# Altium PCB ALCT_MEZ_LX100.PcbDoc (part 7 of 10)
Units mil, origin at the board's own origin, x right, y up, seen from the top; angles counter-clockwise.
Board outline 4100 x 5874.84 mil, 12 copper layers (Top Layer, GND, Mid-Layer 2, +3V3, Mid-Layer 4, +1V2, Mid-Layer 6, +1V8, Mid-Layer 8, +2V5, Mid-Layer 10, Bottom Layer), stack 64.7 mil thick; 544 components, 646 nets, 3089 pads, 1750 vias.
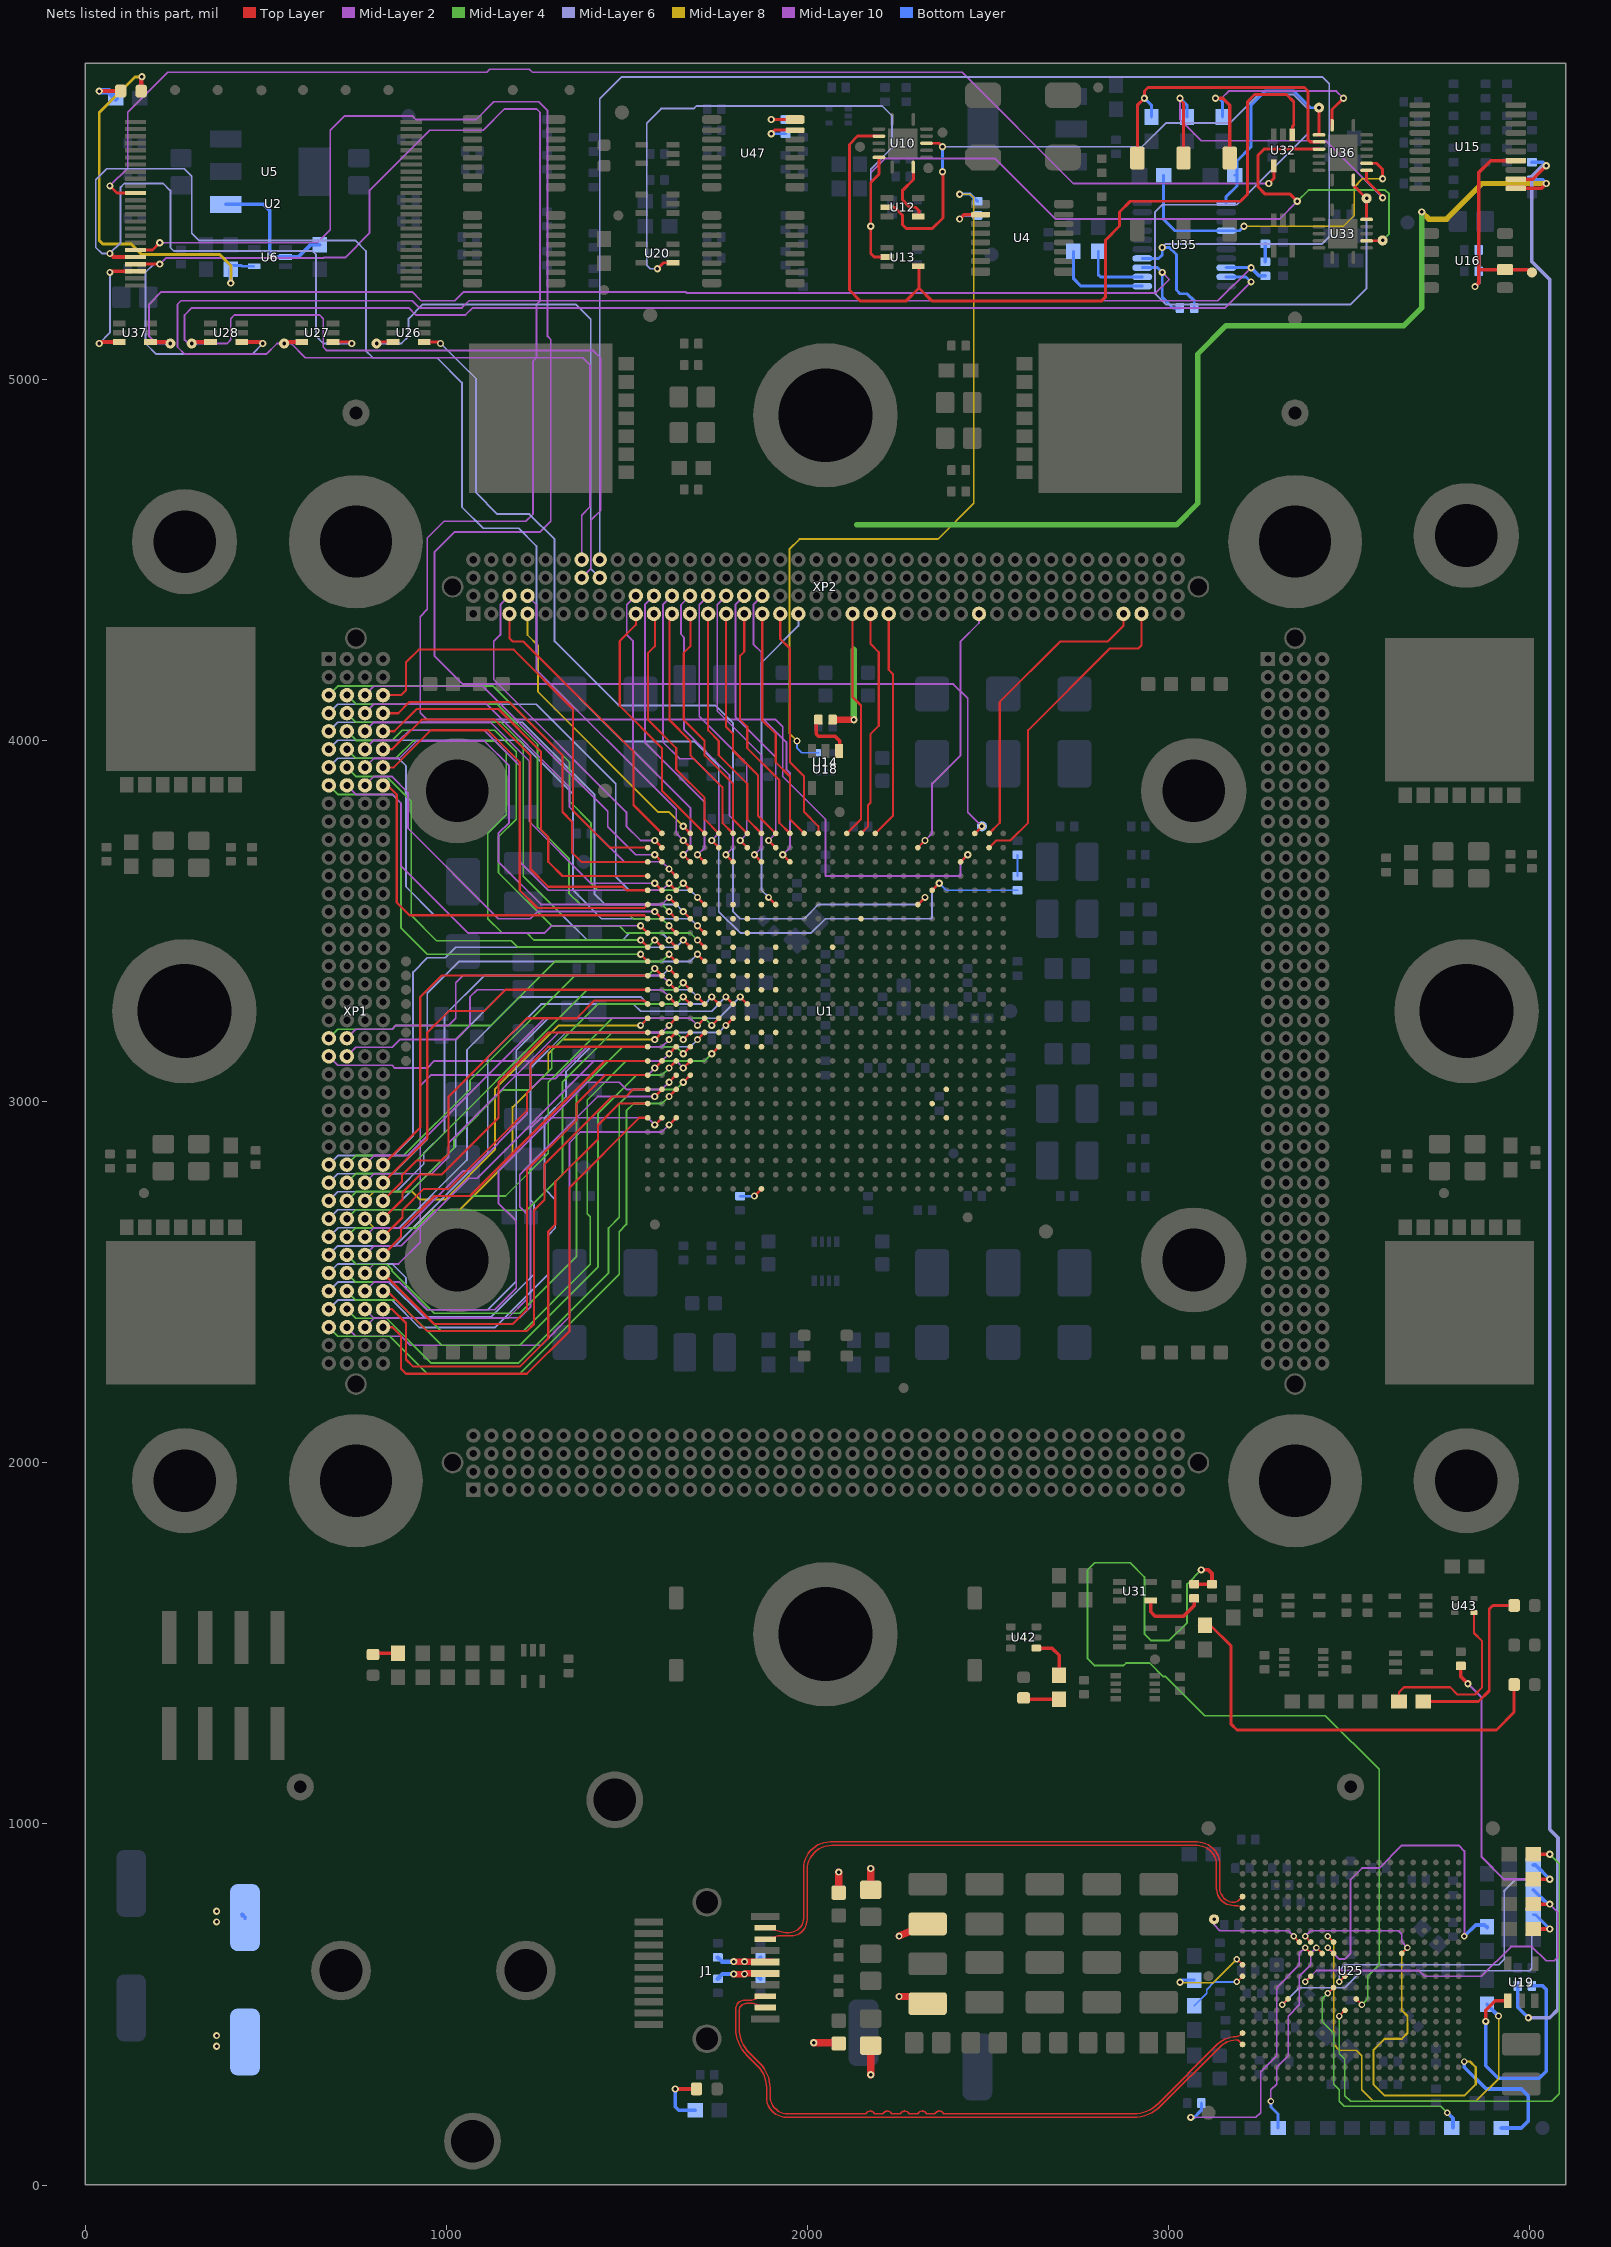
[diagram p17: the nets of this part, all layers, seen from the top]

## Via types
v1: diameter 20, hole 10, Top Layer to Bottom Layer, tented both sides, 1478 vias
v2: diameter 18, hole 10, Top Layer to Bottom Layer, tented both sides, 219 vias
v3: diameter 20, hole 10, Top Layer to Bottom Layer, 38 vias
v4: diameter 40, hole 20, Top Layer to Bottom Layer, 8 vias
v5: diameter 19, hole 10, Top Layer to Bottom Layer, tented both sides, 5 vias
v6: diameter 19, hole 10, Top Layer to Bottom Layer, 1 vias
v7: diameter 18, hole 10, Top Layer to Bottom Layer, 1 vias

## Nets (pads, with @x,y where several pads share a name; then routed paths per layer and width w, separated by ;. In a path a pad name is that pad's centre, name@x,y a point inside that pad or via, vN(x,y) a via of type N, cw(c..) or ccw(c..) an arc to the next point about the centre after c; other vN are vias at no path point) (continued)
mod_present: D10.A R24.1 | length 167.5
  Top Layer w10: v1(1633.86,265.94) D10.A@1692.91,265.94
  Bottom Layer w10: v1(1633.86,265.94) 1633.86,216.73 1643.7,206.89 R24.1@1688.98,206.89
mode0: R67.2 R76.1 U25.N5 | length 1007.9
  Top Layer w5: v2(3314.96,499.41) U25.N5@3330.71,515.16
  Top Layer w10: R76.1@4009.84,708.86 v1(4055.12,708.86)
  Mid-Layer 6 w4: v2(3314.96,499.41) 3362.2,546.65 3488.19,546.65 3535.43,593.9 3999.21,593.9 4005.91,600.59 4005.91,689.17 4025.59,708.86 v1(4055.12,708.86)
  Bottom Layer w8: R67.2@4009.84,748.23 4015.75,748.23 v1(4055.12,708.86)
mode1: R68.2 R77.2 U25.L7 | length 1058.5
  Top Layer w5: v2(3377.95,562.4) U25.L7@3393.7,578.15
  Top Layer w10: R77.2@4009.84,777.76 v1(4055.12,777.76)
  Mid-Layer 2 w5: v2(3377.95,562.4) 3409.45,593.9 3692.91,593.9 3708.66,578.15 3866.14,578.15 3948.23,660.24 4005.91,660.24 4045.28,620.87 4067.33,620.87 4077.17,630.71 4077.17,755.7 v1(4055.12,777.76)
  Bottom Layer w10: R68.2@4009.84,817.13 4049.21,777.76 v1(4055.12,777.76)
mode2: R69.2 R78.2 R99.2 U25.L10 | length 1730.8
  Top Layer w5: v2(3472.44,562.4) U25.L10@3488.19,578.15
  Top Layer w10: R99.2@3809,1437.01 3809,1407.74 v1(3828.74,1387.99) v1@3832.68,1391.93 ; R78.2@4009.84,846.65 v1(4055.12,846.65)
  Mid-Layer 2 w6: v1(3828.74,1387.99) 3866.14,1350.59 3866.14,908.86 3928.35,846.65 v1(4055.12,846.65)
  Mid-Layer 6 w4: v2(3472.44,562.4) 3472.44,593.9 3488.19,609.65 3913.39,609.65 3929.13,625.39 3929.13,814.37
  Mid-Layer 6 w6: 3929.13,814.37 3961.42,846.65 v1(4055.12,846.65)
  Bottom Layer w10: R69.2@4009.84,886.02 4015.75,886.02 v1(4055.12,846.65)
mode3: R79.1 U25.P10 | length 1576.3
  Top Layer w5: v2(3472.44,467.91) U25.P10@3488.19,483.66
  Top Layer w10: R79.1@4009.84,915.55 v1(4055.12,915.55)
  Mid-Layer 4 w4: v2(3472.44,467.91) 3472.44,363.85 3487.94,348.35 3487.94,294.93 3488.19,294.69 3488.19,247.44 3503.94,231.69 4060.24,231.69 4081,252.46 4081,889.67 v1(4055.12,915.55)
NetC47_2: C47.2 R42.1 | length 59.1
  Bottom Layer w5: C47.2@2581.5,3624.02 R42.1@2581.5,3683.07
NetC60_2: C60.2 R51.1 | length 49.2
  Bottom Layer w10: C60.2@3267.72,5325 R51.1@3267.72,5374.21
NetD1_A: D1.A R128.2 | length 100.1
  Top Layer w10: D1.A@2598.43,1348.62 2602.36,1344.69 R128.2@2696.85,1344.69
NetD4_A: D4.A R87.2 | length 70.5
  Top Layer w10: D4.A@797.25,1468.7 801.18,1472.64 R87.2@866.14,1472.64
NetD5_A: D5.A R96.1 | length 1215.5
  Top Layer w8: R96.1@3084.65,1549.41 R96.1@3100.39,1549.41 3116.14,1549.41 3173.23,1492.32 3173.23,1275.79 3188.98,1260.04 3907.62,1260.04 3956.69,1309.12 D5.A@3956.69,1385.55
NetD8_A: D8.A R110.2 | length 112.5
  Top Layer w12: v1(39.37,5797.44) D8.A@98.43,5797.44
  Bottom Layer w18: v1(39.37,5797.44) 64.96,5797.44 R110.2@84.65,5777.76
NetD8_K: D8.K R30.1 U6.4 | length 1098.1
  Top Layer w12: D8.K@155.51,5797.44 155.51,5834.84 v1(157.48,5836.81)
  Mid-Layer 8 w8: v1(157.48,5836.81) 137.93,5836.81 39.31,5738.19 39.31,5383.86 49.15,5374.02 127.89,5374.02 157.42,5344.49 373.96,5344.49 403.54,5314.9 v1(403.54,5265.75)
  Bottom Layer w8: R30.1@403.54,5314.37 433.07,5314.37 435.04,5312.4 U6.4@466.54,5312.4
  Bottom Layer w12: v1(403.54,5265.75) R30.1@403.54,5304.53
NetD9_A: D9.A R111.2 | length 500.7
  Top Layer w8: R111.2@3702.76,1328.94 3712.6,1338.78 3858.27,1338.78 3887.74,1368.25 3887.74,1594.62 3897.64,1604.53 D9.A@3956.69,1604.53
NetR93_1: R93.1 U25.J7 | length 786.5
  Top Layer w5: v2(3377.95,656.89) U25.J7@3393.7,641.14
  Mid-Layer 2 w4: v1(3061.02,187.2) 3241.73,187.2 3254.72,200.2 3254.72,313.19 3299.21,357.68 3299.21,546.65 3362.2,609.65 3362.2,641.14 v2(3377.95,656.89)
  Bottom Layer w8: v1(3061.02,187.2) 3070.87,187.2 3090.55,206.89 R93.1@3090.55,226.57
NetR111_1: R111.1 U43.4 | length 493.8
  Top Layer w6: R111.1@3637.8,1338.78 3637.8,1364.23 3651.51,1377.95 3779.47,1377.95 3799.15,1358.27 3848.37,1358.27 3868.05,1377.95 3868.05,1505.91 3845.41,1528.54 U43.4@3845.41,1584.65
NetR127_1: R127.1 U47.7 | length 109.4
  Top Layer w8: v1(1899.61,5679.33) 1909.45,5689.17 U47.7@1965.55,5689.17
  Bottom Layer w8: v1(1899.61,5679.33) R127.1@1938.98,5679.33
NetR127_2: R127.2 U47.8 | length 105.3
  Top Layer w8: v1(1899.61,5718.7) U47.8@1965.55,5718.7
  Bottom Layer w8: v1(1899.61,5718.7) R127.2@1938.98,5718.7
NetR128_1: R128.1 U42.4 | length 126.3
  Top Layer w10: U42.4@2633.86,1486.42 2677.17,1486.42 2696.85,1466.73 R128.1@2696.85,1411.61
nvio_sel_dskw_e\p\r\t\_clk: R45.2 U35.4 U36.11 | length 924.6
  Top Layer w8: U36.11@3548.23,5597.44 3575.98,5597.44 3592.52,5580.91 v1(3592.52,5554.53)
  Mid-Layer 8 w5: v1(3208.66,5423.43) 3484.25,5423.43 3513.78,5452.95 3513.78,5531.69 3536.61,5554.53 v1(3592.52,5554.53)
  Bottom Layer w8: R45.2@2986.22,5564.37 2986.22,5442.32 3017.72,5410.83 U35.4@3159.45,5410.83 3196.06,5410.83 v1(3208.66,5423.43)
nvio_sel_gbt_x\p\r\m\: NVIO_SEL_GBT.1 R44.2 U35.1 U36.2 | length 603.5
  Top Layer w8: U36.2@3416.34,5676.18 v1(3416.34,5751.38)
  Bottom Layer w8: U35.1@3159.45,5487.6 3159.45,5505.31 3188.98,5534.84 R44.2@3188.98,5564.37 ; R44.2@3183.07,5564.37 R44.2@3188.98,5564.37 ; v1(3416.34,5751.38) 3392.52,5751.38 3346.46,5797.44 3267.72,5797.44 3228.35,5758.07 3228.35,5643.11 3188.98,5603.74 R44.2@3188.98,5564.37
POR: R29.2 U5.2 U6.2 | length 403.2
  Bottom Layer w10: U5.2@389.76,5483.66 494.09,5483.66 511.81,5465.94 511.81,5347.83 521.65,5337.99 557.09,5337.99 590.55,5337.99 624.02,5371.46 R29.2@649.61,5371.46
PROM_OE: U2.11 U32.4 | length 3695.2
  Top Layer w8: v1(68.9,5534.84) 88.58,5515.16 U2.11@139.76,5515.16 ; v1(3277.56,5541.54) 3291.34,5555.31 U32.4@3291.34,5587.99
  Mid-Layer 10 w5: v1(68.9,5534.84) 118.11,5584.06 118.11,5738.39 229.22,5849.5 1112.2,5849.5 1120.7,5858 1230.32,5858 1238.82,5849.5 2428.26,5849.5 2736.22,5541.54 v1(3277.56,5541.54)
RDWR_B: R39.1 U1.AF9 | length 67.2
  Top Layer w7: v1(1853.15,2738.19) U1.AF9@1872.83,2757.87
  Bottom Layer w7: R39.1@1813.78,2738.19 v1(1853.15,2738.19)
refclk_pd: R85.1 U25.K1 | length 248.6
  Top Layer w5: v2(3188.98,625.39) U25.K1@3204.72,609.65
  Mid-Layer 8 w4: v1(3031.5,561.22) 3032.07,560.65 3124.23,560.65 v2(3188.98,625.39)
  Bottom Layer w8: v1(3031.5,561.22) 3037.4,567.13 R85.1@3070.87,567.13
refclk_pu: R83.1 U25.L1 | length 173.7
  Top Layer w5: v2(3188.98,562.4) U25.L1@3204.72,578.15
  Bottom Layer w5: R83.1@3070.87,496.26 3105.51,530.91 3105.51,541.04 3126.88,562.4 v2(3188.98,562.4)
refclk_sel: R86.1 U25.J9 | length 987.4
  Top Layer w5: v2(3440.95,656.89) U25.J9@3456.69,641.14
  Mid-Layer 2 w5: v2(3440.95,656.89) 3472.44,625.39 3488.19,625.39 3503.94,641.14 3503.94,845.87 3535.43,877.36 3582.68,877.36 3645.67,940.35 3803.15,940.35 3818.9,924.61 v2(3818.9,688.39)
  Bottom Layer w10: v2(3818.9,688.39) 3850.39,719.88 3874.69,719.88 3881.89,712.68 R86.1@3881.89,714.65
rxlockmode0: R20.2 U25.J8 | length 581.8
  Top Layer w5: v2(3409.45,656.89) U25.J8@3425.2,641.14
  Mid-Layer 2 w4: v2(3283.46,231.69) 3283.46,263.19 3299.21,278.94 3299.21,326.18 3330.71,357.68 3330.71,467.91 3362.2,499.41 3362.2,578.15 3393.7,609.65 3393.7,641.14 v2(3409.45,656.89)
  Bottom Layer w8: v2(3283.46,231.69) 3283.46,215.95 3303.15,196.26 R20.2@3303.15,157.68
rxlockmode1: R21.1 U25.M9 | length 707.9
  Top Layer w5: v2(3440.95,530.91) U25.M9@3456.69,546.65
  Mid-Layer 4 w4: v2(3440.95,530.91) 3425.2,515.16 3425.2,452.17 3456.69,420.67 3456.69,278.94 3472.44,263.19 3472.44,231.69 3486.44,217.7 3754.15,217.7 v5(3771.65,200.2)
  Bottom Layer w10: v5(3771.65,200.2) 3787.4,184.45 R21.1@3787.4,158.62
SCL_Sw: R47.2 U35.12 | length 189.5
  Bottom Layer w8: R47.2@2805.12,5353.74 2805.12,5288.78 2811.02,5282.87 U35.12@2927.17,5282.87
SDA_Sw: R46.2 U35.11 | length 274.7
  Bottom Layer w8: R46.2@2736.22,5353.74 2736.22,5278.94 2757.87,5257.28 U35.11@2927.17,5257.28
sel_d\s\k\w\_eprt_clk: U10.1 U12.4 | length 177
  Top Layer w8: U10.1@2293.31,5587.01 2293.31,5552.56 2263.78,5523.03 2263.78,5495.47 2283.46,5475.79 2299.21,5475.79 2309.06,5465.94 U12.4@2309.06,5450.2
sel_dskw_e\p\r\t\_clk: SEL_DSKW.1 U10.4 U12.2 U33.6 U36.9 | length 3340.7
  Top Layer w8: U12.2@2218.5,5475.79 U12.2@2220.47,5475.79 2240.95,5475.79 2263.78,5452.95 2263.78,5426.57 2273.62,5416.73 2345.8,5416.73 2375.33,5446.26 2375.33,5572.88 v1(2374.01,5574.2) ; U10.4@2329.72,5652.95 2364.17,5652.95 v1(2374.02,5643.11) ; U36.9@3511.81,5551.18 3511.81,5536.81 v1(3548.23,5500.39) U33.6@3548.23,5441.93
  Mid-Layer 6 w5: v1(2374.02,5643.11) 2926.38,5643.11 2992.13,5708.86 3169.29,5708.86 3248.03,5787.6 3346.46,5787.6 3385.83,5748.23 3385.83,5679.33 3188.98,5482.48 2982.28,5482.48 2962.6,5462.8 2962.6,5236.42 2992.13,5206.89 3503.94,5206.89 3548.23,5251.18 v1(3548.23,5500.39)
  Bottom Layer w8: v1(2374.01,5574.2) v1(2374.02,5643.11)
sel_g\b\t\_xprm: U10.10 U13.4 U32.1 | length 2429.6
  Top Layer w8: U10.10@2197.83,5672.64 2138.98,5672.64 2116.14,5649.8 2116.14,5246.26 2145.67,5216.73 2273.62,5216.73 2309.06,5252.17 ; U13.4@2309.06,5312.4 2309.06,5252.17 ; U32.1@3342.52,5676.57 3342.52,5699.02 3346.46,5702.95 3346.46,5767.91 3326.77,5787.6 3238.19,5787.6 3218.5,5767.91 3218.5,5512.01 3198.82,5492.32 2893.7,5492.32 2864.17,5462.8 2864.17,5423.43 2824.8,5384.06 2824.8,5226.57 2814.96,5216.73 2344.49,5216.73 2309.06,5252.17
sel_gbt_x\p\r\m\: SEL_GBT.1 U10.13 U13.2 U20.1 U33.3 U36.4 | length 4238.7
  Top Layer w8: v1(1584.65,5305.32) 1601.57,5322.24 U20.1@1627.95,5322.24 U20.1@1629.92,5322.24 ; v1(2175.2,5423.43) 2175.2,5544.69 ; U10.13@2197.83,5613.58 2197.83,5567.32 2175.2,5544.69 ; U13.2@2218.5,5337.99 2185.04,5337.99 2175.2,5347.83 2175.2,5544.69 ; v1(3356.3,5492.32) 3336.61,5512.01 3267.72,5512.01 3248.03,5531.69 3248.03,5620.28 3264.57,5636.81 3346.46,5636.81 U36.4@3416.34,5636.81 ; U33.3@3548.23,5382.87 3591.34,5382.87 v1(3592.52,5384.06)
  Mid-Layer 4 w5: v1(3356.3,5492.32) 3387.29,5523.31 3599.98,5523.31 3610.52,5512.77 3610.52,5402.06 v1(3592.52,5384.06)
  Mid-Layer 6 w5: v1(1584.65,5305.32) 1564.96,5305.32 1555.12,5315.16 1555.12,5708.86 1595.02,5748.76 1685.24,5748.76 1692.87,5756.39 2206.41,5756.39 2234.25,5728.54 2234.25,5639.96 2175.2,5580.91 v1(2175.2,5423.43)
  Mid-Layer 10 w5: v1(2175.2,5423.43) 2175.2,5571.06 2214.57,5610.43 2519.69,5610.43 2687.01,5443.11 3307.09,5443.11 v1(3356.3,5492.32)
sfp_rx_n: J1.13 U25.U1 | length 1812.2
  Top Layer w4: 1861.7,329.79 cw(c1800.6,268.72) 1886.98,268.72 1886.98,242.32 ccw(c1941.76,242.32) 1941.76,187.55 ; 1861.68,329.81 1833.25,358.23 cw(c1910.68,435.66) 1801.18,435.66 1801.18,486.45 cw(c1826.77,486.45) 1826.77,512.04 1846.09,512.04 J1.13@1883.46,523.03 ; 1935.04,187.55 1941.76,187.55 ; U25.U1@3204.72,390.11 U25.U1@3204.72,389.17 3194.73,399.17 ccw(c3188.98,393.41) 3188.98,401.55 ccw(c3188.98,333.65) 3140.99,381.69 2978.92,219.62 cw(c2901.49,297.05) 2901.49,187.55 1941.76,187.55
sfp_rx_p: J1.12 U25.T1 | length 1809.3
  Top Layer w4: J1.12@1883.46,491.54 1850.02,502.54 1830.71,502.54 ccw(c1830.71,482.86) 1811.02,482.86 1811.02,435.32 ccw(c1911.02,435.32) 1840.31,364.61 1868.4,336.52 cw(c1800.6,268.72) 1896.48,268.72 1896.48,246.26 ccw(c1945.69,246.26) 1945.69,197.05 ; 1938.98,197.05 2116.14,197.05 2137.57,197.05 2161.57,197.05 cw(c2173.57,192.05) 2185.57,197.05 2209.57,197.05 cw(c2221.57,192.05) 2233.57,197.05 2257.57,197.05 cw(c2269.57,192.05) 2281.57,197.05 2305.57,197.05 cw(c2317.57,192.05) 2329.57,197.05 2353.57,197.05 cw(c2365.57,192.05) 2377.57,197.05 2401.57,197.05 2431.1,197.05 2901.49,197.05 ccw(c2901.49,297.05) 2972.2,226.34 3135.04,389.17 cw(c3187.86,336.36) 3187.86,411.05 ccw(c3187.86,428.55) 3200.22,416.17 U25.T1@3204.72,420.67
SFP_TX_N: J1.19 U25.D1 | length 1653.7
  Top Layer w4: J1.19@1883.46,712.01 1938.98,699.02 1950.18,699.02 ccw(c1950.18,738.39) 1989.55,738.39 1989.55,875.98 cw(c2063.42,875.98) 2063.42,949.85 3078.74,949.85 cw(c3078.74,886.86) 3141.73,886.86 3141.73,822.24 ccw(c3181.1,822.24) 3181.1,782.87 ccw(c3181.1,801.88) 3194.54,788.44 U25.D1@3204.72,798.62
SFP_TX_P: J1.18 U25.E1 | length 1649.3
  Top Layer w4: J1.18@1883.46,680.51 1919.29,689.52 1954.11,689.52 ccw(c1954.11,734.45) 1982.73,699.81 ccw(c1954.11,734.45) 1988.75,705.83 ccw(c1954.11,734.45) 1999.05,734.45 1999.05,872.05 cw(c2067.35,872.05) 2067.35,940.35 3078.74,940.35 cw(c3078.74,886.86) 3132.23,886.86 3132.23,822.24 ccw(c3181.1,822.24) 3181.1,773.37 3189.64,773.37 cw(c3189.64,752.04) U25.E1@3204.72,767.13
sfp_vccr: C38.1 C39.1 C40.1 C41.1 C42.1 J1.15 L2.1 | length 412
  Top Layer w18: v1(1796.26,584.06) v1(1825.79,584.06) 1827.76,586.02 J1.15@1883.46,586.02
  Top Layer w20: C40.1@2086.61,813.19 v1(2086.61,866.34) ; C39.1@2175.2,801.38 v1(2175.2,876.18) ; v1(2253.94,689.17) C38.1@2332.68,722.64
  Bottom Layer w12: L2.1@435.04,748.23 L2.1@442.91,740.35 ; C41.1@1751.97,571.06 1764.96,584.06 v1(1796.26,584.06) ; v1(1825.79,584.06) 1857.09,584.06 C42.1@1870.08,571.06
  other v1: 364.17,728.54 364.17,758.07
sfp_vcct: C31.1 C32.1 C33.1 C34.1 C35.1 J1.16 L1.1 | length 509.9
  Top Layer w12: v1(1825.79,618.5) 1826.77,617.52 J1.16@1883.46,617.52
  Top Layer w18: v1(1796.26,618.5) v1(1825.79,618.5) J1.16@1899.61,618.5
  Top Layer w20: v1(2017.72,393.9) 2070.87,393.9 2080.71,384.05 C33.1@2090.55,393.9 ; v1(2175.2,305.32) C32.1@2175.2,386.02 C32.1@2175.2,399.8 ; v1(2253.94,521.85) C31.1@2328.74,521.85
  Bottom Layer w12: C35.1@1751.97,630.12 1763.58,618.5 v1(1796.26,618.5) ; v1(1825.79,618.5) 1858.46,618.5 C34.1@1870.08,630.12
  other v1: 364.17,384.06 364.17,413.58
state_override: R74.1 U25.H9 | length 1150.4
  Top Layer w5: v2(3440.95,688.39) U25.H9@3456.69,672.64
  Mid-Layer 8 w4: v2(3440.95,688.39) 3456.69,672.64 3456.69,389.17 3472.44,373.43 3519.69,373.43 3535.43,357.68 3535.43,263.19 3566.93,231.69 3850.39,231.69 3913.39,294.69 v1(3913.39,467.91)
  Bottom Layer w10: R74.1@3881.89,500.71 3881.89,499.41 v1(3913.39,467.91)
sw_sel_dskw_e\p\r\t\_clk: J4.1 R49.2 U36.10 | length 1032.7
  Top Layer w8: v1@3029.92,5776.18 3041.34,5764.76 J4.1@3041.34,5612.01 ; U36.10@3548.23,5577.76 3548.23,5549.61 3592.52,5505.31 v1(3592.52,5502.17)
  Mid-Layer 10 w5: v1(3031.5,5777.76) 3031.5,5718.7 3051.18,5699.02 3090.55,5659.65 3435.04,5659.65 v1(3592.52,5502.17)
  Bottom Layer w8: v1(3031.5,5777.76) 3051.18,5758.07 R49.2@3051.18,5725.79
sw_sel_gbt_x\p\r\m\: J3.1 R48.2 U36.3 | length 882.4
  Top Layer w8: J3.1@2913.39,5612.01 2913.39,5758.07 v1(2933.07,5777.76) 2933.07,5797.44 2942.91,5807.28 3375.98,5807.28 3385.83,5797.44 3385.83,5662.8 3392.13,5656.5 U36.3@3416.34,5656.5
  Bottom Layer w8: v1(2933.07,5777.76) 2952.76,5758.07 R48.2@2952.76,5725.79
sw_sel_sw_n\v\i\o\: J5.1 R50.2 U36.1 | length 708.3
  Top Layer w8: U36.1@3452.76,5702.76 3452.76,5746.26 v1(3484.25,5777.76)
  Top Layer w10: v1(3129.92,5777.76) 3149.61,5777.76 3169.29,5758.07 J5.1@3169.29,5612.01
  Mid-Layer 10 w5: v1(3129.92,5777.76) 3146.46,5777.76 3166.14,5797.44 3464.57,5797.44 v1(3484.25,5777.76)
  Bottom Layer w8: v1@3139.76,5777.76 3149.61,5767.91 R50.2@3149.61,5725.79
TCK_2V5: C47.1 U1.E21 U2.20 U27.4 | length 6058.3
  Top Layer w7: U1.E21@2345.28,3584.65 v1(2364.96,3604.33)
  Top Layer w8: U27.4@686.35,5102.56 734.25,5102.56 v1(738.19,5098.62)
  Top Layer w12: v1(68.9,5347.83) 78.74,5337.99 U2.20@139.76,5337.99
  Mid-Layer 6 w5: v1(738.19,5098.62) 659.45,5098.62 639.76,5118.31 639.76,5344.69 629.92,5354.53 246.06,5354.53 236.22,5364.37 236.22,5521.85 216.54,5541.54 108.27,5541.54 98.43,5531.69 98.43,5377.36 v1(68.9,5347.83) 46.06,5347.83 29.53,5364.37 29.53,5551.38 60.52,5582.37 274.13,5582.37 295.28,5561.22 295.28,5403.74 314.96,5384.06 748.03,5384.06 777.56,5354.53 777.56,5078.94 797.24,5059.25 974.41,5059.25 1043.31,4990.35 1043.31,4645.87 1102.36,4586.81 1200.79,4586.81 1250,4537.6 1250,4237.01 1490.66,3996.35 1687.51,3996.35 1754.72,3929.13 1754.72,3525.59 1813.78,3466.54 2010.63,3466.54 2050,3505.91 2345.28,3505.91 2345.28,3584.65 v1(2364.96,3604.33)
  Bottom Layer w5: v1(2364.96,3604.33) 2384.65,3584.65 C47.1@2581.5,3584.65
TCK_Pr: C60.1 TCK.1 U27.3 U35.8 XP2.D7 | length 5052.2
  Top Layer w10: v1(551.18,5098.62) 555.12,5102.56 U27.3@599.74,5102.56
  Mid-Layer 2 w5: XP2.D7@1375,4500 1375,4623.23 1397.64,4645.87 1397.64,5039.31 1377.7,5059.25 610.24,5059.25 570.87,5098.62 v1(551.18,5098.62) 531.5,5098.62 501.97,5069.09 275.59,5069.09 255.91,5088.78 255.91,5206.89 265.75,5216.73 905.51,5216.73 925.2,5197.05 1043.31,5197.05 1062.99,5216.73 3136.61,5216.73 v1(3228.35,5308.46)
  Bottom Layer w8: U35.8@3159.45,5308.46 v1(3228.35,5308.46)
  Bottom Layer w10: v1(3228.35,5308.46) 3251.18,5285.63 C60.1@3267.72,5285.63
TDI_2V5: U1.F20 U26.4 | length 2756.1
  Top Layer w7: U1.F20@2305.91,3545.28 v1(2325.59,3564.96)
  Top Layer w8: U26.4@938.98,5102.56 980.32,5102.56 v1(984.25,5098.62)
  Mid-Layer 6 w5: v1(984.25,5098.62) 1082.68,5000.2 1082.68,4685.24 1141.73,4626.18 1230.32,4626.18 1300,4556.5 1300,4273.62 1477.17,4096.46 1744.88,4096.46 1794.09,4047.24 1794.09,3525.59 1813.78,3505.91 1990.95,3505.91 2030.32,3545.28 2305.91,3545.28 v1(2325.59,3564.96)
TDI_PR: TDI.1 U26.3 XP2.C8 | length 1456.3
  Top Layer w8: v1(807.09,5098.62) 811.02,5102.56 U26.3@852.36,5102.56
  Mid-Layer 6 w5: v1(807.09,5098.62) 875.98,5098.62 895.67,5118.31 895.67,5167.52 935.04,5206.89 1358.27,5206.89 1400,5165.16 1400,4475 XP2.C8@1425,4450
TDO_FPGA: TDOF.1 U1.A24 U2.19 | length 5198.5
  Top Layer w7: U1.A24@2463.39,3742.13 v1(2483.07,3761.81)
  Top Layer w8: U2.19@139.76,5357.68 187.01,5357.68 v1(206.69,5377.36)
  Mid-Layer 10 w5: v1(206.69,5377.36) 642.91,5377.36 679.13,5413.58 679.13,5689.17 718.5,5728.54 905.51,5728.54 915.35,5718.7 1082.68,5718.7 1131.69,5767.72 1255.71,5767.72 1280.69,5742.75 1280.69,5118.31 1289.37,5109.62 1289.37,4606.3 1259.84,4576.77 1023.43,4576.77 967.32,4520.67 967.32,4234.25 1046.06,4155.51 2404.33,4155.51 2443.7,4116.14 2443.7,3801.18 v1(2483.07,3761.81)
TDO_PR: R97.1 U35.14 XP2.D8 | length 4533.8
  Mid-Layer 6 w5.12: XP2.D8@1425,4500 1425,5775.59 1486.22,5836.81 3425.2,5836.81 3444.88,5817.13 3444.88,5393.9 3425.2,5374.21 2992.13,5374.21 v1(2982.28,5364.37)
  Bottom Layer w8: U35.14@2927.17,5334.06 2972.44,5334.06 2982.28,5343.9 v1(2982.28,5364.37) 3001.97,5364.37 3021.65,5344.69 3021.65,5246.26 3031.5,5236.42 3051.18,5236.42 3070.87,5216.73 R97.1@3070.87,5197.05
TDO_PROM: R97.2 TDOP.1 U35.13 U37.4 | length 3307.5
  Top Layer w10: U37.4@181.1,5102.56 232.28,5102.56 v1(236.22,5098.62)
  Mid-Layer 2 w5: v1(236.22,5098.62) 196.85,5098.62 177.17,5118.31 177.17,5206.89 211.53,5241.25 905.51,5241.25 930.03,5216.73 1023.62,5216.73 1048.14,5241.25 1662.62,5241.25 1665.77,5238.1 2964.28,5238.1 2967.43,5241.25 3001.97,5275.79 v1(2982.28,5295.47)
  Bottom Layer w8: U35.13@2927.17,5308.46 2969.29,5308.46 v1(2982.28,5295.47) 2982.28,5226.57 3011.81,5197.05 R97.2@3031.5,5197.05
TDO_PROM_2V5: U2.22 U37.3 | length 338
  Top Layer w10: v1(39.37,5098.62) 43.31,5102.56 U37.3@94.49,5102.56 ; v1(68.9,5295.47) 72.05,5298.62 U2.22@139.76,5298.62
  Mid-Layer 6 w5: v1(39.37,5098.62) 68.9,5128.15 v1(68.9,5295.47)
testclk_pd: R88.1 U25.H7 U25.J15 | length 1597.4
  Top Layer w5: v2(3377.95,688.39) U25.H7@3393.7,672.64 ; U25.J15@3645.67,641.14 v2(3661.42,656.89)
  Mid-Layer 8 w4: 3645.67,483.66 3645.67,641.14 v2(3661.42,656.89)
  Mid-Layer 8 w6: 3645.67,483.66 3661.42,467.91 3661.42,420.67 3645.67,404.92 3598.43,404.92 3566.93,373.43 3566.93,278.94 3598.43,247.44 3818.9,247.44 3850.39,278.94 3850.39,326.18 3834.65,341.93 v2(3818.9,341.93)
  Mid-Layer 10 w4: v2(3377.95,688.39) 3393.7,704.13 3614.17,704.13 3614.42,703.89 3636.34,703.89 3645.42,694.81 3645.42,672.89 v2(3661.42,656.89)
  Bottom Layer w10: v2(3818.9,341.93) 3818.9,326.18 3879.13,265.94 3976.38,265.94 3996.06,246.26 3996.06,177.36 3976.38,157.68 R88.1@3921.26,157.68
testclockout: TCLK.1 U25.H6 | length 271.5
  Top Layer w5: v2(3346.46,688.39) U25.H6@3362.2,672.64
  Mid-Layer 10 w4: v1(3125.98,735.63) 3125.98,719.88 3141.73,704.13 3330.71,704.13 v2(3346.46,688.39)
TMS_2V5: U1.C23 U2.21 U28.4 | length 5909.5
  Top Layer w7: U1.C23@2424.02,3663.39 v1(2443.7,3683.07)
  Top Layer w8: U2.21@139.76,5318.31 v1(206.69,5318.31)
  Top Layer w10: U28.4@433.73,5102.56 488.19,5102.56 v1(492.13,5098.62)